# Altium PCB Copy of PCB1.PcbDoc (part 2 of 3)
Units mm, origin at the board's own origin, x right, y up, seen from the top; angles counter-clockwise.
Board outline 125 x 60 mm, 4 copper layers (Top Copper, Top Ref, Botton Ref, Bottom Copper), stack 1.586 mm thick; 166 components, 87 nets, 450 pads, 496 vias.
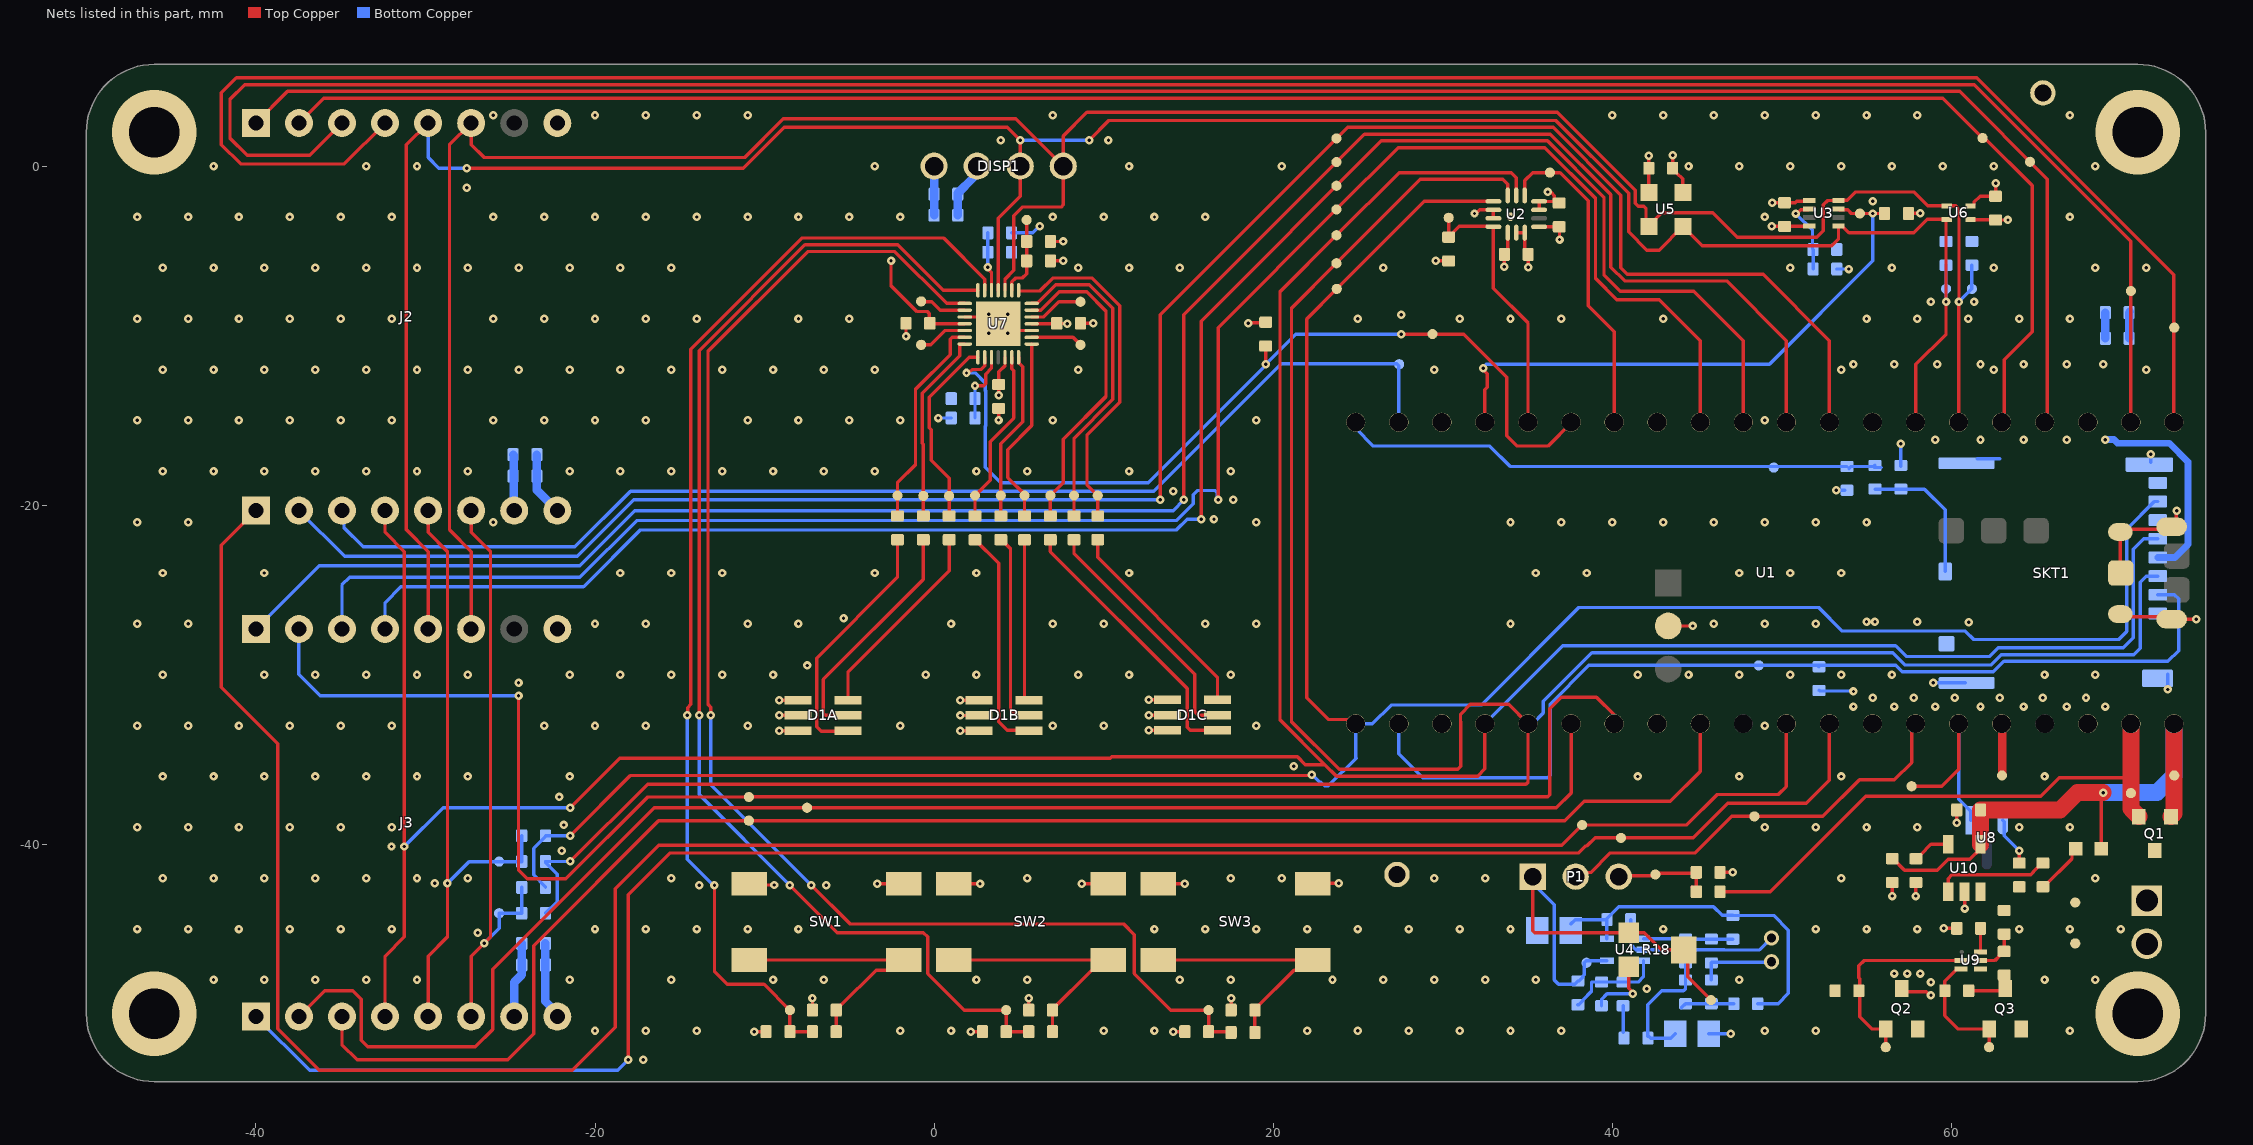
[diagram p4: the nets of this part, all layers, seen from the top]

## Part data
+3V3 ADC1 ADC2 ADC3 BTN1 BTN2 BTN3 COUT CS1 CS2 DOUT ICS IINT INT1 INT2 IO3 IO4 IO11 IO12 LBA LBB LBC LGA LGB LGC LRA LRB LRC MB_MISO MB_MOSI MISO MOSI MOUT OINT PWM1 PWM2 RST1 RST2 RX1 RX2 SCK SCL SCS SDA SINT SOUT SRST SW TX1 TX2 VBAT+ VBAT- VBUS VREF VSYS VSYSM: library part CMP-00028-00002-2, "0.6mm round", Pins=1
  +3V3 ADC1 ADC2 ADC3 BTN1 BTN2 BTN3 COUT CS1 CS2 DOUT ICS IINT INT1 INT2 IO3 IO4 IO11 IO12 MB_MISO MB_MOSI MISO MOSI MOUT OINT PWM1 PWM2 RST1 RST2 RX1 RX2 SCK SCL SCS SDA SINT SOUT SRST SW TX1 TX2 VBAT+ VBAT- VBUS VREF VSYS VSYSM: Component Type=Mechanical
C1 C2 C3 C4 C5 C6 C9 C10 C11 C12 C13 C14 C15 C16 C17 C18 C21 C22 C23 C24 C25 C26 C28 C29: library part CMP-001-00085-1, "Multilayer Ceramic Capacitor, 0.1 uF, 16 V, ± 20%, X7R, 0603 [1608 Metric]", Case Code (Imperial)=0603, Case Code (Metric)=1608, Dielectric=X7R, Dielectric Material=Tantalum, Max Operating Temperature=125°C, Min Operating Temperature=-55°C, Package Quantity=4000, Tolerance=20%, Voltage Rating=16V, Case/Package=0603, Construction=Flat, Depth=0.8mm, Height=0.95mm, Lead Free="Lead Free", Length=1.6mm, Mounting Technology="Surface Mount", Packaging="Tape and Reel", RoHS Compliant=Yes, Series=VJ, Termination=SMD/SMT, Voltage Rating (DC)=16V, Width=0.8mm
C7: library part CMP-001-00088-1, "Multilayer Ceramic Capacitor, 100 pF, 50 V, ï¿½ 10%, C0G (NP0), 0603 [1608 Metric]", Case Code (Imperial)=0603, Case Code (Metric)=1608, Dielectric=C0G, Dielectric Material=Ceramic, Max Operating Temperature=125°C, Min Operating Temperature=-55°C, Package Quantity=1, Temperature Coefficient=30ppm/°C, Tolerance=10%, Voltage Rating=50V, Case/Package=0603, Construction=Flat, Depth=0.8mm, Dissipation Factor=0.1%, Height=0.8mm, Lead Free="Lead Free", Lead Pitch=0.7mm, Length=1.6mm, Material=Ceramic, Mounting Technology="Surface Mount,PCB", Packaging="Tape and Reel", Radiation Hardening=No, Reach SVHC Compliant=No, RoHS Compliant=Yes, Series=C, Termination=SMD/SMT, Thickness=0.034inch, Voltage Rating (DC)=50V, Width=0.031inch
C8: library part CMP-001-00087-1, "Multilayer Ceramic Capacitor, 10 uF, 6.3 V, ± 20%, X5R, 0603 [1608 Metric]", Case Code (Imperial)=0603, Case Code (Metric)=1608, Dielectric=X5R, Max Operating Temperature=85°C, Min Operating Temperature=-55°C, Package Quantity=4000, Tolerance=20%, Voltage Rating=6.3V, Case/Package=0603, Height=0.8mm, Lead Free="Lead Free", Length=1.6mm, Mounting Technology="Surface Mount", Packaging="Cut Tape", RoHS Compliant=Yes, Series=GRM, Termination=Standard, Voltage Rating (DC)=6.3V, Weight=0.000222oz, Width=0.8mm
C19 C20: library part CMP-001-00076-4, "Chip Capacitor, 4.7µF +/-20%, 10V, 0603, Thickness 1 mm", Case/Package=0603, Max Operating Temperature=85°C, Min Operating Temperature=-55°C, Tolerance=10%, Voltage Rating=10V, Mounting Technology=SMT, Pins=2
C27: library part CMP-001-00084-1, "Multilayer Ceramic Capacitor, 0.01 uF, 50 V, ± 10%, X7R, 0603 [1608 Metric]", Case Code (Imperial)=0603, Case Code (Metric)=1608, Dielectric=X7R, Max Operating Temperature=125°C, Min Operating Temperature=-55°C, Package Quantity=1, Tolerance=10%, Voltage=50V, Case/Package=0603, Construction=Flat, Depth=0.8mm, Height=0.92mm, Lead Free="Lead Free", Length=1.6mm, Mounting Technology="Surface Mount", Packaging="Tape and Reel", Pins=2, Reach SVHC Compliant=Unknown, RoHS Compliant=Yes, Series=VJ, Termination=SMD/SMT, Thickness=0.036inch, Voltage Rating=50V, Voltage Rating (DC)=50V, Weight=7.1E-05oz, Width=0.031inch
D1A D1B D1C: library part CMP-007-00036-1, "LED Tri-Color Blue/Green/Red 469nm/529nm/623nm Chip LED 6-Pin PLCC T/R", Case/Package=PLCC, Color=Blue,Green,Red, Forward Current=20mA, Forward Voltage=3.1V, Max Operating Temperature=100°C, Min Operating Temperature=-40°C, Package Quantity=2000, Reverse Voltage=4V, Contact Plating=Silver, Dominant Wavelength=469nm, Height=2mm, Length=3mm, Lens Size=2.3mm, Lens Style=Flat,Square,Diffused,Rectangular, Lens Transparency=Diffused, Luminous Intensity=384mcd, Mounting Technology="Surface Mount", Number of LEDs=3, Orientation="Top View", Packaging="Cut Tape", Pins=6, Reach SVHC Compliant=No, Series=-, Test Current=20mA, Viewing Angle=120°, Weight=40mg, Width=2.8mm
DISP1: library part CMP-003-00030-5, "0.96 Inch I2C OLED Display Module"
DS1: library part CMP-007-00004-2, "Chip LED, Red, 5 V, 25 mA, -40 to 85 degC, 2-Pin SMD (0603), RoHS, Tape and Reel", Case/Package=0603, Colour=Red, Forward Voltage=2.2V, Manufacturer="Everlight Electronics", Package Description="2-Pin Surface Mount Device, Body 1.6 x 0.8 mm", Datasheet URL=https://datasheet.ciiva.com/4688/el-19-217-r6c-al1m2vy-3tpdf-187026-4688713.pdf, Datasheet Version="Rev. 1, 01/2005", Lens Style=Clear, Manufacturer URL=http://www.everlight.com/, Mounting Technology=SM, Package Reference=0603, RoHS Compliant=False
J1: library part CMP-002-00073-1, "Connector 250V AC/DC 5A 2P 1 Row PCB - Vertical Mounting Polyester White", Color=Beige, Contact Current Rating=5A, Flammability Rating="UL94 V-0", Housing Color=Natural, Max Operating Temperature=221°C, Min Operating Temperature=-67°C, Operating Supply Voltage=250V, Package Quantity=5000, Approvals=CSA, Backwall/Post Interruptions="No (Without)", Circuit Application=Signal, Connector System=Wire-to-Board, Connector Type=Connector,Pin,Plug,Header, Contact Material="Copper Alloy", Contact Mating Length=7.49mm, Contact Plating=Tin, Contact Post Length=3.56mm, Contact Retention="No (Without)", Contact Shape=Square, Contact Style=Straight, Current Rating=5A, Gender=Male, Height=7.87mm, Housing Material=Polyester, Lead Free="Lead Free", Length=7.62mm, Mating Alignment="No (Without)", Mating Connector Lock="Yes (With)", Mating Retention="No (Without)", Mounting Ears="No (Without)", Mounting Technology="Through Hole", Number of Contacts=2, Number of Positions=2, Number of Rows=1, Orientation=Straight, Panel Mount Retention="No (Without)", PCB Mount Alignment="No (Without)", PCB Mount Retention=Without, PCB Mounting Orientation=Vertical, PCB Thickness=0.063inch, Pitch=2.54mm, Plating=Tin, Plating Thickness=3.81um, Reach SVHC Compliant=Unknown, RoHS Compliant=Yes, Sealable="No (Without)", Series=MTA-100, Shrouded="No (Without)", Strain Relief="No (Without)", Tail Length=0.14inch, Termination=Solder, Voltage Rating=250V, Voltage Rating (AC)=250V, Voltage Rating (DC)=250V
J2 J3: library part CMP-002-00071-3, "MikroBus shield pico"
L1 L2: library part CMP-006-00000-4, "IND, Chip Ferrite Bead, 330 Ohm, +/- 25%, 1.5 A, -55 to 125 degC, 0805 (2012 Metric), Tape and Reel", Case/Package=0805, Current Rating=1.5A, Manufacturer=Murata, Max Operating Temperature=125°C, Min Operating Temperature=-55°C, Package Description="2-Pin Surface Mount Device, Body 2 x1.25 mm", Package Quantity=4000, Resistance=90mohm, Tolerance=25%, Core Material=Ferrite, Datasheet URL=http://psearch.en.murata.com/inductor/product/LQG15HS15NJ02_.pdf, Datasheet Version=Nov-11, Impedance=330Ohm, Max Current Rating=1.5A, Mounting Technology=SM, Package Reference=0805, Packaging=TapeandReel, RoHS Compliant=True
MK1: library part CMP-010-000001-2, "4.0 mm, Omnidirectional, PCB Mount, 2.0 Vdc, Elecret Condenser Microphone", Clock Frequency=10kHz, Frequency=100Hz, Operating Supply Current=500uA, Operating Supply Voltage=2V, Package=None, Availability=Unavailable, Component Type=Standard, Design Item ID=CMEJ-0415-42-LP, Direction=Omnidirectional, Height=1.5mm, Length=4mm, MF="{'manufacturer': u'CUI'}", MP=CMEJ-0415-42-LP, Output Type=Analog, Pin Count=2, Price=None, Series=CMEJ, Shape=Circular, Source=CMEJ-0415-42-LP.SchLib, Termination="PC Pins", Voltage Rating=2V, Width=4mm
P1: library part CMP-002-00076-1, "KK 254 Breakaway Header Vertical 3 Circuits 0.38um Gold Selective Plating Mating Pin 6.09mm", Color=Black, Contact Resistance=20mR, Current Rating=4A, Flammability Rating="UL94 V-0", Max Operating Temperature=75°C, Max Voltage Rating (AC)=250V, Min Operating Temperature=0°C, Package Quantity=1, Contact Material=Brass,Bronze, Contact Mating Length=0.24inch, Contact Plating=Gold, Contact Type="Male Pin", Depth=2.49mm, Gender=Male, Glow Wire Compliant=Non-compliant, Housing Color=Black, Housing Material=Nylon, Lead Free="Lead Free", Max Voltage Rating (DC)=250V, Mounting Technology="Through Hole", Number of Circuits=3, Number of Contacts=3, Number of Positions=3, Number of Rows=1, Orientation=Straight, Packaging=Bulk, Pitch=2.54mm, Radiation Hardening=No, Reach SVHC Compliant=Unknown, RoHS Compliant=Yes, Series="KK® 42375", Termination=Solder, Voltage Rating=250V, Voltage Rating (DC)=250V
Q1: library part CMP-013-00034-1, "NTRV4101PT1G P-channel MOSFET Transistor; 1.7 A; 20 V; 3-Pin SOT-23", Case/Package=SOT-23-3, Continuous Drain Current (ID)=3.2A, Drain to Source Resistance=70mR, Drain to Source Voltage (Vdss)=20V, Gate to Source Voltage (Vgs)=8V, Input Capacitance=675pF, Max Operating Temperature=150°C, Max Power Dissipation=420mW, Min Operating Temperature=-55°C, Package Quantity=3000, Power Dissipation=1.25W, Element Configuration=Single, Fall Time=21ns, Height=1.01mm, Lead Free="Lead Free", Length=3.04mm, Number of Elements=1, Packaging="Tape and Reel", Pins=3, Polarity=P-CHANNEL, Radiation Hardening=No, Rds On Max=85mR, Rise Time=12.6ns, RoHS Compliant=Yes, Series=-, Turn-Off Delay Time=30.2ns, Turn-On Delay Time=7.5ns, Width=1.4mm
Q2 Q3: library part CMP-013-00035-1, "N-Channel 12 V 10 mO 50.6 nC SMT Enhancement Mode Mosfet - SC-59 (SOT-23)", Case/Package=TO-236-3, Continuous Drain Current (ID)=9.3A, Drain to Source Resistance=41mR, Drain to Source Voltage (Vdss)=12V, Gate to Source Voltage (Vgs)=4.5V, Input Capacitance=2.426nF, Max Operating Temperature=150°C, Max Power Dissipation=680mW, Min Operating Temperature=-55°C, Package Quantity=3000, Fall Time=16.8ns, Lead Free="Lead Free", Mounting Technology="Surface Mount", Number of Channels=1, Packaging="Tape and Reel", Polarity=N-CHANNEL, Rds On Max=10mR, Rise Time=57.6ns, RoHS Compliant=Yes, Series=-, Turn-Off Delay Time=22.2ns, Turn-On Delay Time=7.6ns, Weight=0.000282oz
R1 R2 R3 R9 R10 R20 R21 R22 R23 R24 R25 R28 R29 R39 R40 R41 R42: library part CMP-009-00017-7, "Chip Resistor, 10 KOhm, +/- 1%, 01 W, -55 to 155 degC, 0603 (1608 Metric)", Case/Package=0603, Max Operating Temperature=155°C, Min Operating Temperature=-55°C, Power=100mW, Tolerance=1%, Voltage Rating=50V, Mounting Technology=SM, Pins=2, RoHS Compliant=True
R4 R5 R7 R8 R12 R13 R26 R27 R30 R31: library part CMP-009-00006-6, "Chip Resistor, 0 Ohm, 0.1 W, -55 to 155 degC, 0603 (1608 Metric)", Case/Package=0603, Max Operating Temperature=155°C, Min Operating Temperature=-55°C, Power=100mW, Tolerance=5%, Voltage Rating=50V, Mounting Technology=SM, Pins=2, RoHS Compliant=True
R6 R11 R14 R17: library part CMP-009-00014-6, "Chip Resistor, 1 KOhm, +/-1%, 0.1 W, -55 to 155 degC, 0603 (1608 Metric)", Case/Package=0603, Max Operating Temperature=155°C, Min Operating Temperature=-55°C, Power=100mW, Tolerance=1%, Voltage Rating=50V, Mounting Technology=SM, Pins=2, RoHS Compliant=True
R15 R16: library part CMP-009-00023-6, "Chip Resistor, 100 KOhm, +/- 1%, 0.1 W, -55 to 155 degC, 0603 (1608 Metric)", Case/Package=0603, Max Operating Temperature=155°C, Min Operating Temperature=-55°C, Power=100mW, Tolerance=1%, Voltage Rating=50V, Mounting Technology=SM, Pins=2, RoHS Compliant=True
R18: library part CMP-009-00187-1, "Cermet trimmer potentiometer, 100 kΩ, 0.1 W, SMD, on top, TC33X-2-104E", Max Operating Temperature=100°C, Max Power Dissipation=100mW, Min Operating Temperature=-40°C, Package Quantity=1, Resistance Tolerance=25%, Resistor Type=Carbon,Cermet, Temperature Coefficient=250ppm/°C, Voltage Rating (DC)=50V, Depth=3.8mm, Height=0.047inch, Length=0.15inch, Military Standard=Not, Mounting Technology="Surface Mount", Number of Turns=1, Packaging="Tape and Reel", Pins=2, Power Rating=100mW, Radiation Hardening=No, Reach SVHC Compliant=No, RoHS Compliant=Yes, Series=TC33, Termination="Foot Print", Tolerance=25%, Weight=29.4mg, Width=0.118inch
R19 R36: library part CMP-009-00186-1, "SMD Chip Resistor, 2.2 kOhm, ± 1%, 100 mW, 0603 [1608 Metric], Thick Film, General Purpose", Case Code (Imperial)=0603, Case Code (Metric)=1608, Max Operating Temperature=155°C, Max Power Dissipation=100mW, Min Operating Temperature=-55°C, Package Quantity=10, Ratings=AEC-Q200, Resistance Tolerance=1%, Resistor Type="Thick Film", Temperature Coefficient=100ppm/°C, Voltage Rating=75V, Case/Package=0603, Construction=Rectangular, Contact Plating=Tin, Depth=0.85mm, Features="Automotive AEC-Q200", Height=0.45mm, Lead Free="Lead Free", Length=1.55mm, Military Standard=Not, Number of Terminations=2, Packaging="Tape and Reel", Power Rating=100mW, Radiation Hardening=No, Reach SVHC Compliant=Unknown, RoHS Compliant=Yes, Series=CRCW, Technology="THICK FILM", Termination=SMD/SMT, Tolerance=1%, Voltage Rating (DC)=75V, Weight=7.1E-05oz, Width=0.033inch
R32A R32B R32C: library part CMP-009-00189-1, "Res Thick Film 0603 300 Ohm 5% 1/10W ±200ppm/°C Molded SMD Punched Carrier T/R", Case Code (Imperial)=0603, Case Code (Metric)=1608, Max Operating Temperature=155°C, Max Power Dissipation=100mW, Min Operating Temperature=-55°C, Package Quantity=1, Resistance Tolerance=5%, Resistor Type="Thick Film", Temperature Coefficient=200ppm/°C, Voltage Rating=75V, Case/Package=0603, Construction=Rectangular, Contact Plating=Tin, Depth=0.8mm, Features="Automotive AEC-Q200", Height=0.45mm, Lead Free="Lead Free", Length=1.6mm, Military Standard=Not, Mounting Technology="Surface Mount", Number of Terminations=2, Packaging="Tape and Reel", Pins=2, Power Rating=100mW, Radiation Hardening=No, Reach SVHC Compliant=Unknown, RoHS Compliant=Yes, Series=ERJ, Technology="THICK FILM", Termination=SMD/SMT, Tolerance=5%, Voltage Rating (DC)=75V, Weight=7.1E-05oz, Width=0.8mm
R33A R33B R33C R34A R34B R34C: library part CMP-009-00188-1, "SMD Chip Resistor, 100 Ohm, ï¿½ 1%, 100 mW, 0603 [1608 Metric], Thick Film, Precision", Case Code (Imperial)=0603, Case Code (Metric)=1608, Max Operating Temperature=155°C, Max Power Dissipation=100mW, Min Operating Temperature=-55°C, Package Quantity=5000, Resistance Tolerance=1%, Resistor Type="Thick Film", Temperature Coefficient=100ppm/°C, Voltage Rating=75V, Case/Package=0603, Construction=Rectangular, Contact Plating=Tin, Depth=0.8mm, Features="Automotive AEC-Q200", Height=0.45mm, Lead Free="Lead Free", Length=1.6mm, Military Standard=Not, Mounting Technology="Surface Mount", Number of Terminations=2, Packaging="Tape and Reel", Power Rating=100mW, Radiation Hardening=No, Reach SVHC Compliant=No, RoHS Compliant=Yes, Series=ERJ, Termination=SMD/SMT, Tolerance=1%, Voltage Rating (DC)=75V, Weight=7.1E-05oz, Width=0.8mm
R35: library part CMP-009-00184-1, "SMD Chip Resistor, 330 Ohm, ± 1%, 100 mW, 0603 [1608 Metric], Thick Film, Precision", Case Code (Imperial)=0603, Case Code (Metric)=1608, Current Rating=500mA, Max Operating Temperature=155°C, Max Power Dissipation=100mW, Min Operating Temperature=-55°C, Package Quantity=5000, Resistance Tolerance=1%, Resistor Type="Thick Film", Temperature Coefficient=100ppm/°C, Voltage Rating=75V, Case/Package=0603, Construction=Rectangular, Contact Material=Copper, Contact Plating=Tin, Depth=0.8mm, Features="Automotive AEC-Q200", Gender=Male, Height=0.45mm, Lead Free="Lead Free", Lead Pitch=1.1mm, Length=1.6mm, Military Standard=Not, Mounting Technology="Surface Mount", Number of Terminations=2, Packaging="Tape and Reel", Pins=2, Power Rating=100mW, Radiation Hardening=No, Reach SVHC Compliant=No, RoHS Compliant=Yes, Series=ERJ, Termination=SMD/SMT, Tolerance=1%, Voltage Rating (DC)=75V, Weight=7.1E-05oz, Width=0.8mm
R37: library part CMP-009-00182-1, "Res Thick Film 0603 470 Ohm 5% 0.1W(1/10W) ±200ppm/°C Pad SMD Automotive T/R", Case Code (Imperial)=0603, Case Code (Metric)=1608, Max Operating Temperature=155°C, Max Power Dissipation=100mW, Min Operating Temperature=-55°C, Package Quantity=5000, Ratings=AEC-Q200, Resistance Tolerance=5%, Resistor Type="Thick Film", Temperature Coefficient=200ppm/°C, Voltage Rating=75V, Case/Package=0603, Construction=Rectangular, Contact Plating=Tin, Depth=0.85mm, Features="Automotive AEC-Q200", Height=0.45mm, Lead Free="Lead Free", Length=1.55mm, Military Standard=Not, Number of Terminations=2, Packaging="Tape and Reel", Power Rating=100mW, Radiation Hardening=No, Reach SVHC Compliant=Unknown, RoHS Compliant=Yes, Series=CRCW, Technology="THICK FILM", Termination=SMD/SMT, Tolerance=5%, Weight=7.1E-05oz, Width=0.85mm, Working Voltage=75V
R38: library part CMP-009-00181-1, "SMD Chip Resistor, 2 kOhm, ï¿½ 1%, 100 mW, 0603 [1608 Metric], Thick Film, Precision", Case Code (Imperial)=0603, Case Code (Metric)=1608, Max Operating Temperature=155°C, Max Power Dissipation=100mW, Min Operating Temperature=-55°C, Package Quantity=1, Resistance Tolerance=1%, Resistor Type="Thick Film", Temperature Coefficient=100ppm/°C, Voltage Rating=75V, Voltage Rating (DC)=50V, Case/Package=0603, Construction=Rectangular, Contact Plating=Tin, Depth=0.8mm, Features="Automotive AEC-Q200", Height=0.022inch, Lead Free="Lead Free", Length=1.6mm, Military Standard=Not, Mounting Technology="Surface Mount", Number of Terminations=2, Packaging="Tape and Reel", Pins=2, Power Rating=100mW, Radiation Hardening=No, Reach SVHC Compliant=No, RoHS Compliant=Yes, Series=ERJ, Termination=SMD/SMT, Tolerance=1%, Width=0.8mm
R43 R44: library part CMP-009-00185-1, "Res Thick Film 0603 4.7M Ohm 5% 0.1W -400ppm/°C to 150ppm/°C Molded SMD Punched Carrier T/R", Case Code (Imperial)=0603, Case Code (Metric)=1608, Max Operating Temperature=155°C, Max Power Dissipation=100mW, Min Operating Temperature=-55°C, Package Quantity=1, Resistance Tolerance=5%, Resistor Type="Thick Film", Temperature Coefficient=150ppm/°C, Voltage Rating=75V, Voltage Rating (DC)=50V, Case/Package=0603, Construction=Rectangular, Contact Plating=Tin, Depth=0.8mm, Features="Automotive AEC-Q200", Height=0.45mm, Lead Free="Lead Free", Length=1.6mm, Military Standard=Not, Mounting Technology="Surface Mount", Number of Terminations=2, Packaging="Tape and Reel", Power Rating=100mW, Reach SVHC Compliant=Unknown, RoHS Compliant=Yes, Series=ERJ, Technology="THICK FILM", Termination=SMD/SMT, Tolerance=5%, Weight=7.1E-05oz, Width=0.8mm
SKT1: library part CMP-002-00049-5, "Micro SD Card Connector, Pitch 1.1 mm, 8 Position, Height 1.4 mm, -25 to 85 degC, RoHS, Tape and Reel", Pins=14
SW1 SW2 SW3: library part CMP-011-00013-1, "Switch Tactile OFF (ON) SPST Round Button Gull Wing 0.05A 12VDC 1.57N SMD Loose Piece", Case/Package=SMD/SMT, Color=Black, Contact Current Rating=50mA, Insulation Resistance=100MR, Max Operating Temperature=85°C, Min Operating Temperature=-35°C, Operating Force=1.57N, Package Quantity=750, Voltage Rating=24V, Actuator Length=1.4mm, Actuator Material=Polyphenylene, Actuator Type=Standard, Contact Material="Copper Alloy,Silver", Contact Plating=Silver, Current Rating=50mA, Depth=10mm, ELV=Compliant, Illumination Type=Non-Illuminated,Illuminated, Lead Free="Lead Free", Length=6mm, Max Current Rating=50mA, Mechanical Life=100000Cycles, Mounting Technology="Surface Mount", Orientation=Straight, Packaging=Bulk, Reach SVHC Compliant=Unknown, RoHS Compliant=Yes, Series=FSMJSMA, Switch Function=Off-Mom, Switch Travel=0.25mm, Termination="Gull Wing", Throw Configuration=SPST, Voltage Rating (DC)=24V, Width=6mm
TP1 TP2: library part CMP-002-00037-2, "Test Point, Orange, Height 4.6 mm, Tail Length 3 mm, 1-Pin THD, RoHS", Colour=Orange, Manufacturer=Keystone, Package Description="1-Pin Through Hole Device, Dia 2.54 mm", Package Quantity=10, Case/Package=5003, Connector Type=TestPoint, Contact Material=Bronze, Contact Plating=Tin, Datasheet URL=http://keyelco.com/userAssets/file/M65p56.pdf, Datasheet Version=Jun-15, Diameter=2.54mm, Manufacturer URL=http://www.keyelco.com/, Mounting Technology=TH, Package Reference=5003, Packaging=Bulk, Pins=1, RoHS Compliant=True
U1: library part CMP-006-000001-6, "Raspberry Pi Pico W RP2040", Package=None, Availability="In Stock", Check_prices=https://www.snapeda.com/parts/SC0918/Raspberry+Pi/view-part/?ref=eda, Component Type=Standard, Design Item ID=SC0918, MF="Raspberry Pi", MP=SC0918, Pin Count=53, Price=None, Purchase-URL=https://pricing.snapeda.com/search/part/SC0918/?ref=eda, SnapEDA_Link=https://www.snapeda.com/parts/SC0918/Raspberry+Pi/view-part/?ref=snap, Source=SC0918.SchLib
U2: library part CMP-010-00032-3, "Mems Module, 1.71-3.6 V, Lga-14 Rohs Compliant: Yes", Min Operating Temperature=-40°C, Length=2.5mm, Width=3mm
U3: library part CMP-010-00031-2, "High-speed high-precision digital ambient light sensor (ALS) 8-SOT-5X3 -40 to 85", Height=600um, Length=2.1mm, Pins=8, Thickness=550um, Width=1.2mm
U4: library part CMP-00027-00002-4, "Audio Amp Microphone 1-CH Mono Class-AB 5-Pin SC-70 T/R", Max Operating Temperature=85°C, Max Supply Voltage=5.5V, Min Operating Temperature=-40°C, Min Supply Voltage=2.4V, Power Supply Rejection Ratio (PSRR)=112dB, Gain Bandwidth Product=600kHz, Mounting Technology="Surface Mount", Packaging="Tape and Reel", Radiation Hardening=No, RoHS Compliant=No, Series=-
U5: library part CMP-010-00027-2, "Pressure Sensor, Barometric, 300 mbar, 1200 mbar, QFN, 8, -40 C", Case/Package=QFN, Max Operating Temperature=85°C, Max Supply Voltage=3.6V, Min Operating Temperature=-40°C, Min Supply Voltage=1.8V, Supply Current=20.09uA, Height=1mm, Lead Free="Lead Free", Packaging="Cut Tape", Pins=8, Pressure Type=Barometric, Reach SVHC Compliant=No, RoHS Compliant=Yes
U6: library part CMP-010-00033-3, "Humidity And Temperature Sensor"
U7: library part CMP-016-00011-5, "IC Gpio Expander I2C 16CH 28QFN / I2C Interface 5.5V 28-PIN Qfn-ut Ep T/r", Case/Package=QFN, Frequency=400kHz, Max Operating Temperature=85°C, Min Operating Temperature=-40°C, Interface=I2C, Lead Free="Lead Free", Mounting Technology="Surface Mount", Number of I/Os=16, Packaging="Cut Tape", Pins=28, RoHS Compliant=Yes, Series=-
U8: library part CMP-004-00033-1, "LM4040 Series 2.5 V ±1 % Precision Micropower Shunt Voltage Reference - SOT-23", Case/Package=SOT-23, Cathode Current=70uA, Current Rating=15mA, Max Operating Temperature=85°C, Max Output Voltage=2.5V, Min Operating Temperature=-40°C, Output Voltage=10V, Package Quantity=3000, Supply Current=500nA, Temperature Coefficient=150ppm/°C, Tolerance=1%, Height=1.01mm, Lead Free="Lead Free", Length=2.92mm, Max Output current=15mA, Min Output Voltage=2.5V, Mounting Technology="Surface Mount", Output Current=15mA, Output Type=Fixed, Packaging="Tape and Reel", Pins=3, Radiation Hardening=No, Reach SVHC Compliant=No, Reference Type=Shunt, Reference Voltage=2.5V, RoHS Compliant=Yes, Series=-, Width=1.3mm
U9: library part CMP-001-0002-1, "Li-Ion/Li Polymer Advanced Single-Cell Battery Protector IC Family 6-WSON -40 to 85", Case/Package=WFDFN, Max Operating Temperature=85°C, Min Operating Temperature=-40°C, Operating Supply Voltage=8V, Package Quantity=3000, Contact Plating=Gold, Fault Protection="Over Current,Short Circuit,Over/Under Voltage", Height=800um, Lead Free="Lead Free", Length=1.5mm, Mounting Technology="Surface Mount", Number of Cells=1, Packaging="Tape and Reel", Pins=6, RoHS Compliant=Yes, Series=-, Thickness=750um, Weight=0.000342oz, Width=1.5mm
U10: library part CMP-001-0001-1, "MCP73831 Series Single-Cell Li-Ion/Li-Polymer Battery Charge Controller SOT-23-5", Battery Pack Voltage=4.2V, Case/Package=SOT-23, Drain to Source Resistance=350mR, Max Charge Current=500mA, Max Operating Temperature=85°C, Max Output Voltage=4.5V, Max Power Dissipation=1.54W, Max Supply Voltage=6V, Min Operating Temperature=-40°C, Min Output Voltage=4.168V, Min Supply Voltage=3.75V, Voltage Rating=4.534V, Fault Protection="Over Voltage", Height=1.3mm, Lead Free="Lead Free", Length=3.1mm, Mounting Technology="Surface Mount", Number of Cells=1, Number of Channels=1, Number of Outputs=1, Output Current=500mA, Output Voltage=4.2V, Packaging="Tape and Reel", Pins=5, Radiation Hardening=No, Reach SVHC Compliant=No, RoHS Compliant=Yes, Series=-, Termination=SMD/SMT, Weight=0.00709oz, Width=1.8mm

## Via types
v1: diameter 0.5, hole 0.2, Top Copper to Bottom Copper, tented both sides, 488 vias
v2: diameter 5, hole 3, Top Copper to Bottom Copper, 4 vias
v3: diameter 3.2, hole 2.5, Top Copper to Bottom Copper, 4 vias

## Nets (pads, with @x,y where several pads share a name; then routed paths per layer and width w, separated by ;. In a path a pad name is that pad's centre, name@x,y a point inside that pad or via, vN(x,y) a via of type N, cw(c..) or ccw(c..) an arc to the next point about the centre after c; other vN are vias at no path point)
+3V3: +3V3.1 C1.1 C4.2 C5.2 C9.2 C10.2 C11.2 C12.2 C13.2 C21.2 C22.2 C23.2 C24.2 C25.2 C26.2 C28.2 C29.2 D1A.4 D1A.5 D1A.6 D1B.4 D1B.5 D1B.6 D1C.4 D1C.5 D1C.6 DISP1.2 J2.7 J3.7 L1.2 R1.1 R2.1 R9.2 R10.1 R12.1 R20.1 R22.2 R23.1 R25.2 R26.2 R27.2 R28.1 R40.2 R42.1 SKT1.4 U1.36 U2.5 U2.8 U3.1 U5.1 U6.3 U7.4 U7.12 U7.18 | length 69.1
  Top Copper w0.2: v1(-9.144,-33.296) D1A.6@-8.03,-33.296 ; v1(-9.144,-32.396) D1A.5@-8.03,-32.396 ; v1(-9.144,-31.496) D1A.4@-8.03,-31.496 ; R20.1@-7.174,-49.784 v1(-7.174,-49.09) ; v1(-2.54,-5.588) -2.54,-7.046 -1.011,-8.576 -0.398,-8.576 -0.281,-8.693 -0.281,-9.271 C11.2@-0.268,-9.285 ; C11.2@-0.254,-9.271 -0.227,-9.298 U7.4@1.809,-9.298 ; v1(1.543,-33.302) D1B.6@2.657,-33.302 ; v1(1.543,-32.402) D1B.5@2.657,-32.402 ; v1(1.543,-31.502) D1B.4@2.657,-31.502 ; v1(3.81,-13.509) C12.2@3.81,-12.889 3.81,-12.138 4.184,-11.764 U7.12@4.184,-11.273 ; R23.1@5.585,-49.784 v1(5.585,-49.09) ; U7.18@5.759,-9.298 7.209,-9.298 C13.2@7.222,-9.285 ; R22.2@6.861,-4.445 v1(7.623,-4.445) ; C13.2@7.236,-9.271 C13.2@7.222,-9.285 ; v1(7.856,-9.298) 7.842,-9.285 C13.2@7.222,-9.285 ; v1(12.651,-33.285) D1C.6@13.765,-33.285 ; v1(12.651,-32.385) D1C.5@13.765,-32.385 ; v1(12.651,-31.485) D1C.4@13.765,-31.485 ; R28.1@17.523,-49.784 v1(17.523,-49.09) ; v1(18.542,-9.271) 18.574,-9.239 19.555,-9.239 R25.2@19.558,-9.242 ; v1(29.591,-5.588) 29.593,-5.59 30.321,-5.59 R10.1@30.323,-5.588 ; v1@33.641,-5.936 C5.2@33.641,-5.207 ; U2.5@33.839,-3.928 33.841,-3.93 33.841,-5.205 C5.2@33.844,-5.207 ; U2.8@35.689,-3.578 C4.2@36.871,-3.578 C4.2@36.892,-3.6 ; v1@36.892,-4.328 C4.2@36.892,-3.6 ; C4.2@36.957,-3.621 36.914,-3.621 C4.2@36.892,-3.6 ; U5.1@42.164,-1.556 C10.2@42.164,-0.127 v1@42.164,0.602 ; v1@49.436,-2.156 C1.1@50.165,-2.156 50.797,-2.156 50.875,-2.078 51.574,-2.078 U3.1@51.624,-2.028 ; R9.2@57.469,-2.794 57.481,-2.782 58.162,-2.782 v1(58.174,-2.77) ; U6.3@61.136,-3.142 61.153,-3.159 62.595,-3.159 C9.2@62.611,-3.175 v1@63.34,-3.175
  Top Copper w0.5: U1.36@62.972,-32.887 62.992,-32.907 +3V3.1@62.992,-35.941
  Bottom Copper w0.2: R42.1@52.197,-30.926 52.228,-30.957 54.198,-30.957 v1(54.229,-30.988) ; v1@57.023,-16.383 v1(57.027,-16.387) R40.2@57.027,-17.707
  Bottom Copper w0.4: v1(69.088,-16.129) 69.596,-16.129 69.808,-16.341 72.856,-16.341 73.956,-17.441 73.956,-22.31 73.183,-23.083 SKT1.4@72.183,-23.083
  Bottom Copper w0.5: C21.2@-24.83,-17.018 -24.797,-17.05 -24.797,-20.288 J2.7@-24.765,-20.32 ; J3.7@-24.765,-50.165 -24.765,-48.137 -24.322,-47.694 C24.2@-24.322,-47.117 C23.2@-24.322,-45.847 ; C29.2@1.4,-2.901 C28.2@1.4,-1.651 1.4,-1.601 2.33,-0.672 2.33,-0.21 DISP1.2@2.54,0 ; C26.2@69.088,-10.16 C25.2@69.088,-8.636
  other v1: 54.229,-31.877 56.642,-31.877 59.055,-31.877 61.722,-31.877 64.262,-31.877 66.802,-31.877 69.088,-31.877 55.372,-31.369 57.785,-31.369 60.198,-31.369 62.865,-31.369 65.405,-31.369 67.945,-31.369 59.055,-16.129 61.722,-16.129 64.262,-16.129 66.802,-16.129 54.229,-11.684 56.642,-11.684 59.182,-11.684 61.722,-11.684 64.262,-11.684 66.802,-11.684 68.961,-11.684 33.639,-5.937 36.891,-4.33 63.341,-3.177 49.435,-2.154 42.166,0.603
+3V3A: C2.1 L1.1 R11.2 R15.2 U4.5 | length 20.8
  Bottom Copper w0.2: L1.1@37.561,-44.704 37.821,-44.444 C2.1@39.686,-44.444 ; U4.5@39.692,-45.572 39.686,-45.566 C2.1@39.686,-44.444 ; R11.2@48.579,-49.409 48.585,-49.403 49.784,-49.403 50.394,-48.793 50.394,-45.06 49.533,-44.199 R15.2@47.117,-44.199 47.114,-44.196 46.482,-44.196 45.974,-43.688 40.392,-43.688 39.686,-44.394 C2.1@39.686,-44.444
AGND: C2.2 C3.1 C8.1 L2.1 MK1.N R16.1 U4.2 | length 18.6
  Bottom Copper w0.2: C2.2@41.086,-44.444 41.086,-45.912 41.396,-46.222 U4.2@41.842,-46.222 43.186,-46.222 43.18,-46.228 44.069,-46.228 44.323,-46.482 ; C8.1@42.102,-51.318 42.102,-50.345 42.102,-49.459 42.926,-48.635 44.206,-48.635 ; C8.1@42.164,-51.318 42.281,-51.435 43.465,-51.435 L2.1@43.719,-51.181 ; 44.206,-48.641 44.323,-48.524 C3.1@44.323,-48.006 R16.1@44.323,-46.993 44.323,-46.482 ; MK1.N@49.395,-45.528 48.689,-46.234 46.615,-46.234 46.609,-46.228 44.577,-46.228 44.323,-46.482
BTN_1: BTN1.1 C15.2 R21.2 U7.27 | length 67.2
  Top Copper w0.2: v1(-14.562,-32.385) -14.541,-32.364 -14.541,-31.94 -14.351,-31.75 -14.351,-10.807 -7.782,-4.238 0.555,-4.238 2.984,-6.667 U7.27@2.984,-7.323 ; v1(-12.954,-42.418) -12.954,-47.498 -12.192,-48.26 -10.03,-48.26 BTN1.1@-8.506,-49.784 C15.2@-8.506,-51.054 R21.2@-7.174,-51.054
  Bottom Copper w0.2: v1(-14.562,-32.385) -14.562,-40.891 -13.035,-42.418 v1(-12.954,-42.418)
BTN_2: BTN2.1 C16.2 R24.2 U7.28 | length 73.6
  Top Copper w0.2: v1(-13.862,-32.385) -13.862,-10.883 -7.617,-4.638 -2.147,-4.638 0.539,-7.323 U7.28@2.584,-7.323 ; v1(-8.509,-42.418) -5.715,-45.212 -0.635,-45.212 -0.381,-45.466 -0.381,-47.625 1.778,-49.784 BTN2.1@4.253,-49.784 C16.2@4.253,-51.054 R24.2@5.585,-51.054
  Bottom Copper w0.2: v1(-13.862,-32.385) -13.862,-37.065 v1(-8.509,-42.418)
BTN_3: BTN3.1 C17.2 R29.2 U7.1 | length 83.3
  Top Copper w0.2: v1(-13.162,-32.385) -13.162,-31.923 -13.335,-31.75 -13.335,-10.922 -7.451,-5.038 -2.312,-5.038 0.748,-8.098 U7.1@1.809,-8.098 ; v1(-7.239,-42.418) -4.953,-44.704 11.186,-44.704 11.811,-45.329 11.811,-47.625 13.97,-49.784 BTN3.1@16.191,-49.784 C17.2@16.191,-51.054 R29.2@17.523,-51.054
  Bottom Copper w0.2: v1(-13.162,-32.385) -13.162,-36.495 v1(-7.239,-42.418)
CLK: J2.4 J3.4 SCK.1 SKT1.5 U1.24 U2.13 | length 194.8
  Top Copper w0.2: J3.4@-32.385,-50.165 -32.385,-46.609 -31.242,-45.466 v1(-31.242,-40.132) -31.242,-22.733 -32.385,-21.59 J2.4@-32.385,-20.32 ; v1(-21.463,-37.846) -18.552,-34.935 10.387,-34.935 10.481,-34.841 21.437,-34.841 21.902,-35.306 23.056,-35.306 ; U1.24@32.492,-32.887 32.492,-35.551 32.058,-35.985 23.735,-35.985 23.056,-35.306 ; U2.13@34.339,-1.728 34.339,-0.684 34.036,-0.381 27.432,-0.381 SCK.1@23.734,-4.079 20.405,-7.408 20.405,-32.655 23.056,-35.306
  Bottom Copper w0.2: v1(-31.242,-40.132) -28.956,-37.846 v1(-21.463,-37.846) ; U1.24@32.492,-32.887 37.078,-28.302 56.711,-28.302 57.332,-28.923 62.263,-28.923 62.776,-28.41 70.142,-28.41 70.739,-27.813 70.739,-22.606 71.362,-21.983 SKT1.5@72.183,-21.983
CS: R42.2 SCS.1 SKT1.2 U1.22 | length 58.6
  Bottom Copper w0.2: U1.22@27.412,-32.887 27.412,-34.651 28.829,-36.068 36.205,-36.068 36.341,-35.932 36.341,-31.731 38.622,-29.45 52.121,-29.45 R42.2@52.197,-29.526 ; R42.2@52.197,-29.45 56.728,-29.45 57.111,-29.833 62.484,-29.833 63.107,-29.21 72.771,-29.21 73.406,-28.575 73.406,-25.527 73.162,-25.283 SKT1.2@72.183,-25.283
DET_SW: C27.2 R41.2 SW.1 U1.20 | length 32.4
  Bottom Copper w0.2: U1.20@24.872,-15.107 24.872,-15.474 25.908,-16.51 32.766,-16.51 33.971,-17.715 C27.2@53.848,-17.715 ; C27.2@53.963,-17.854 54.102,-17.715 R41.2@55.434,-17.715 ; R41.2@55.499,-17.65 R41.2@55.434,-17.715 ; R41.2@55.878,-17.775 55.494,-17.775 R41.2@55.434,-17.715
DI: MOSI.1 R5.1 R8.1 SKT1.3 U1.25 U2.14 | length 171.1
  Top Copper w0.2: v1(-21.471,-41.013) -21.455,-41.013 -16.891,-36.449 34.915,-36.449 35.032,-36.332 U1.25@35.032,-32.887 33.895,-31.75 31.623,-31.75 31.052,-32.321 31.052,-32.763 31.055,-32.766 31.055,-35.409 30.879,-35.585 23.901,-35.585 21.082,-32.766 21.082,-8.382 MOSI.1@23.734,-5.73 28.683,-0.781 33.547,-0.781 33.839,-1.073 U2.14@33.839,-1.728
  Bottom Copper w0.2: R8.1@-22.922,-44.069 -22.227,-43.406 -22.225,-43.307 -22.225,-41.768 -22.922,-41.071 R5.1@-22.922,-41.021 -22.918,-41.017 -21.475,-41.017 v1(-21.471,-41.013) ; U1.25@35.032,-32.887 35.312,-32.887 35.941,-32.258 35.941,-31.565 38.804,-28.702 56.545,-28.702 57.273,-29.429 62.322,-29.429 62.941,-28.81 70.758,-28.81 71.139,-28.429 71.139,-24.535 71.491,-24.183 SKT1.3@72.183,-24.183
DO: MISO.1 R4.1 R7.1 SKT1.7 U1.21 U2.1 | length 153.5
  Top Copper w0.2: v1(-21.463,-39.497) -17.907,-35.941 22.226,-35.941 v1(22.268,-35.899) ; U1.21@24.872,-32.887 24.624,-32.639 23.241,-32.639 21.971,-31.369 21.971,-9.017 MISO.1@23.749,-7.239 28.91,-2.078 U2.1@32.989,-2.078
  Bottom Copper w0.2: R7.1@-22.922,-42.545 -22.922,-42.495 -23.622,-41.795 -23.622,-40.247 -22.922,-39.547 R4.1@-22.922,-39.497 v1(-21.463,-39.497) ; v1(22.268,-35.899) 22.314,-35.899 22.751,-36.335 22.806,-36.335 23.032,-36.561 23.256,-36.561 24.892,-34.925 24.872,-34.905 U1.21@24.872,-32.887 25.857,-32.887 26.957,-31.788 32.278,-31.788 38.031,-26.035 52.178,-26.035 53.566,-27.423 60.824,-27.423 61.324,-27.923 69.867,-27.923 70.339,-27.451 70.339,-21.427 71.983,-19.783 SKT1.7@72.183,-19.783
GND: C1.2 C4.1 C5.1 C9.1 C10.1 C11.1 C12.1 C13.1 C14.1 C15.1 C16.1 C17.1 C19.1 C20.1 C21.1 C22.1 C23.1 C24.1 C25.1 C26.1 C27.1 C28.1 C29.1 DISP1.1 J2.8 J2.9 J3.8 J3.9 L2.2 Q2.2 Q2.3 Q3.2 R6.1 R13.1 R30.1 R31.1 R36.1 R38.1 R39.1 R43.1 SKT1.6 SKT1.10 SKT1.11 SKT1.12 SKT1.13 SKT1.14 SW1.3 SW1.4 SW2.3 SW2.4 SW3.3 SW3.4 TP1.1 TP2.1 U1.3 U1.8 U1.13 U1.18 U1.23 U1.28 U1.33 U1.38 U1.A U1.B U1.C U1.D U1.F U1.TP1 U2.2 U2.3 U2.6 U2.7 U2.10 U2.11 U3.4 U5.4 U6.4 U7.3 U7.17 U7.29 U8.2 U10.2 | length 76